# Altium PCB BLDC_v3.PcbDoc (part 2 of 2)
Units mm, origin at the board's own origin, x right, y up, seen from the top; angles counter-clockwise.
Board outline 118 x 103 mm, 4 copper layers (Component Side, Signal Layer 1, Signal Layer 2, Solder Side), stack 0.844 mm thick; 232 components, 107 nets, 656 pads, 98 vias.
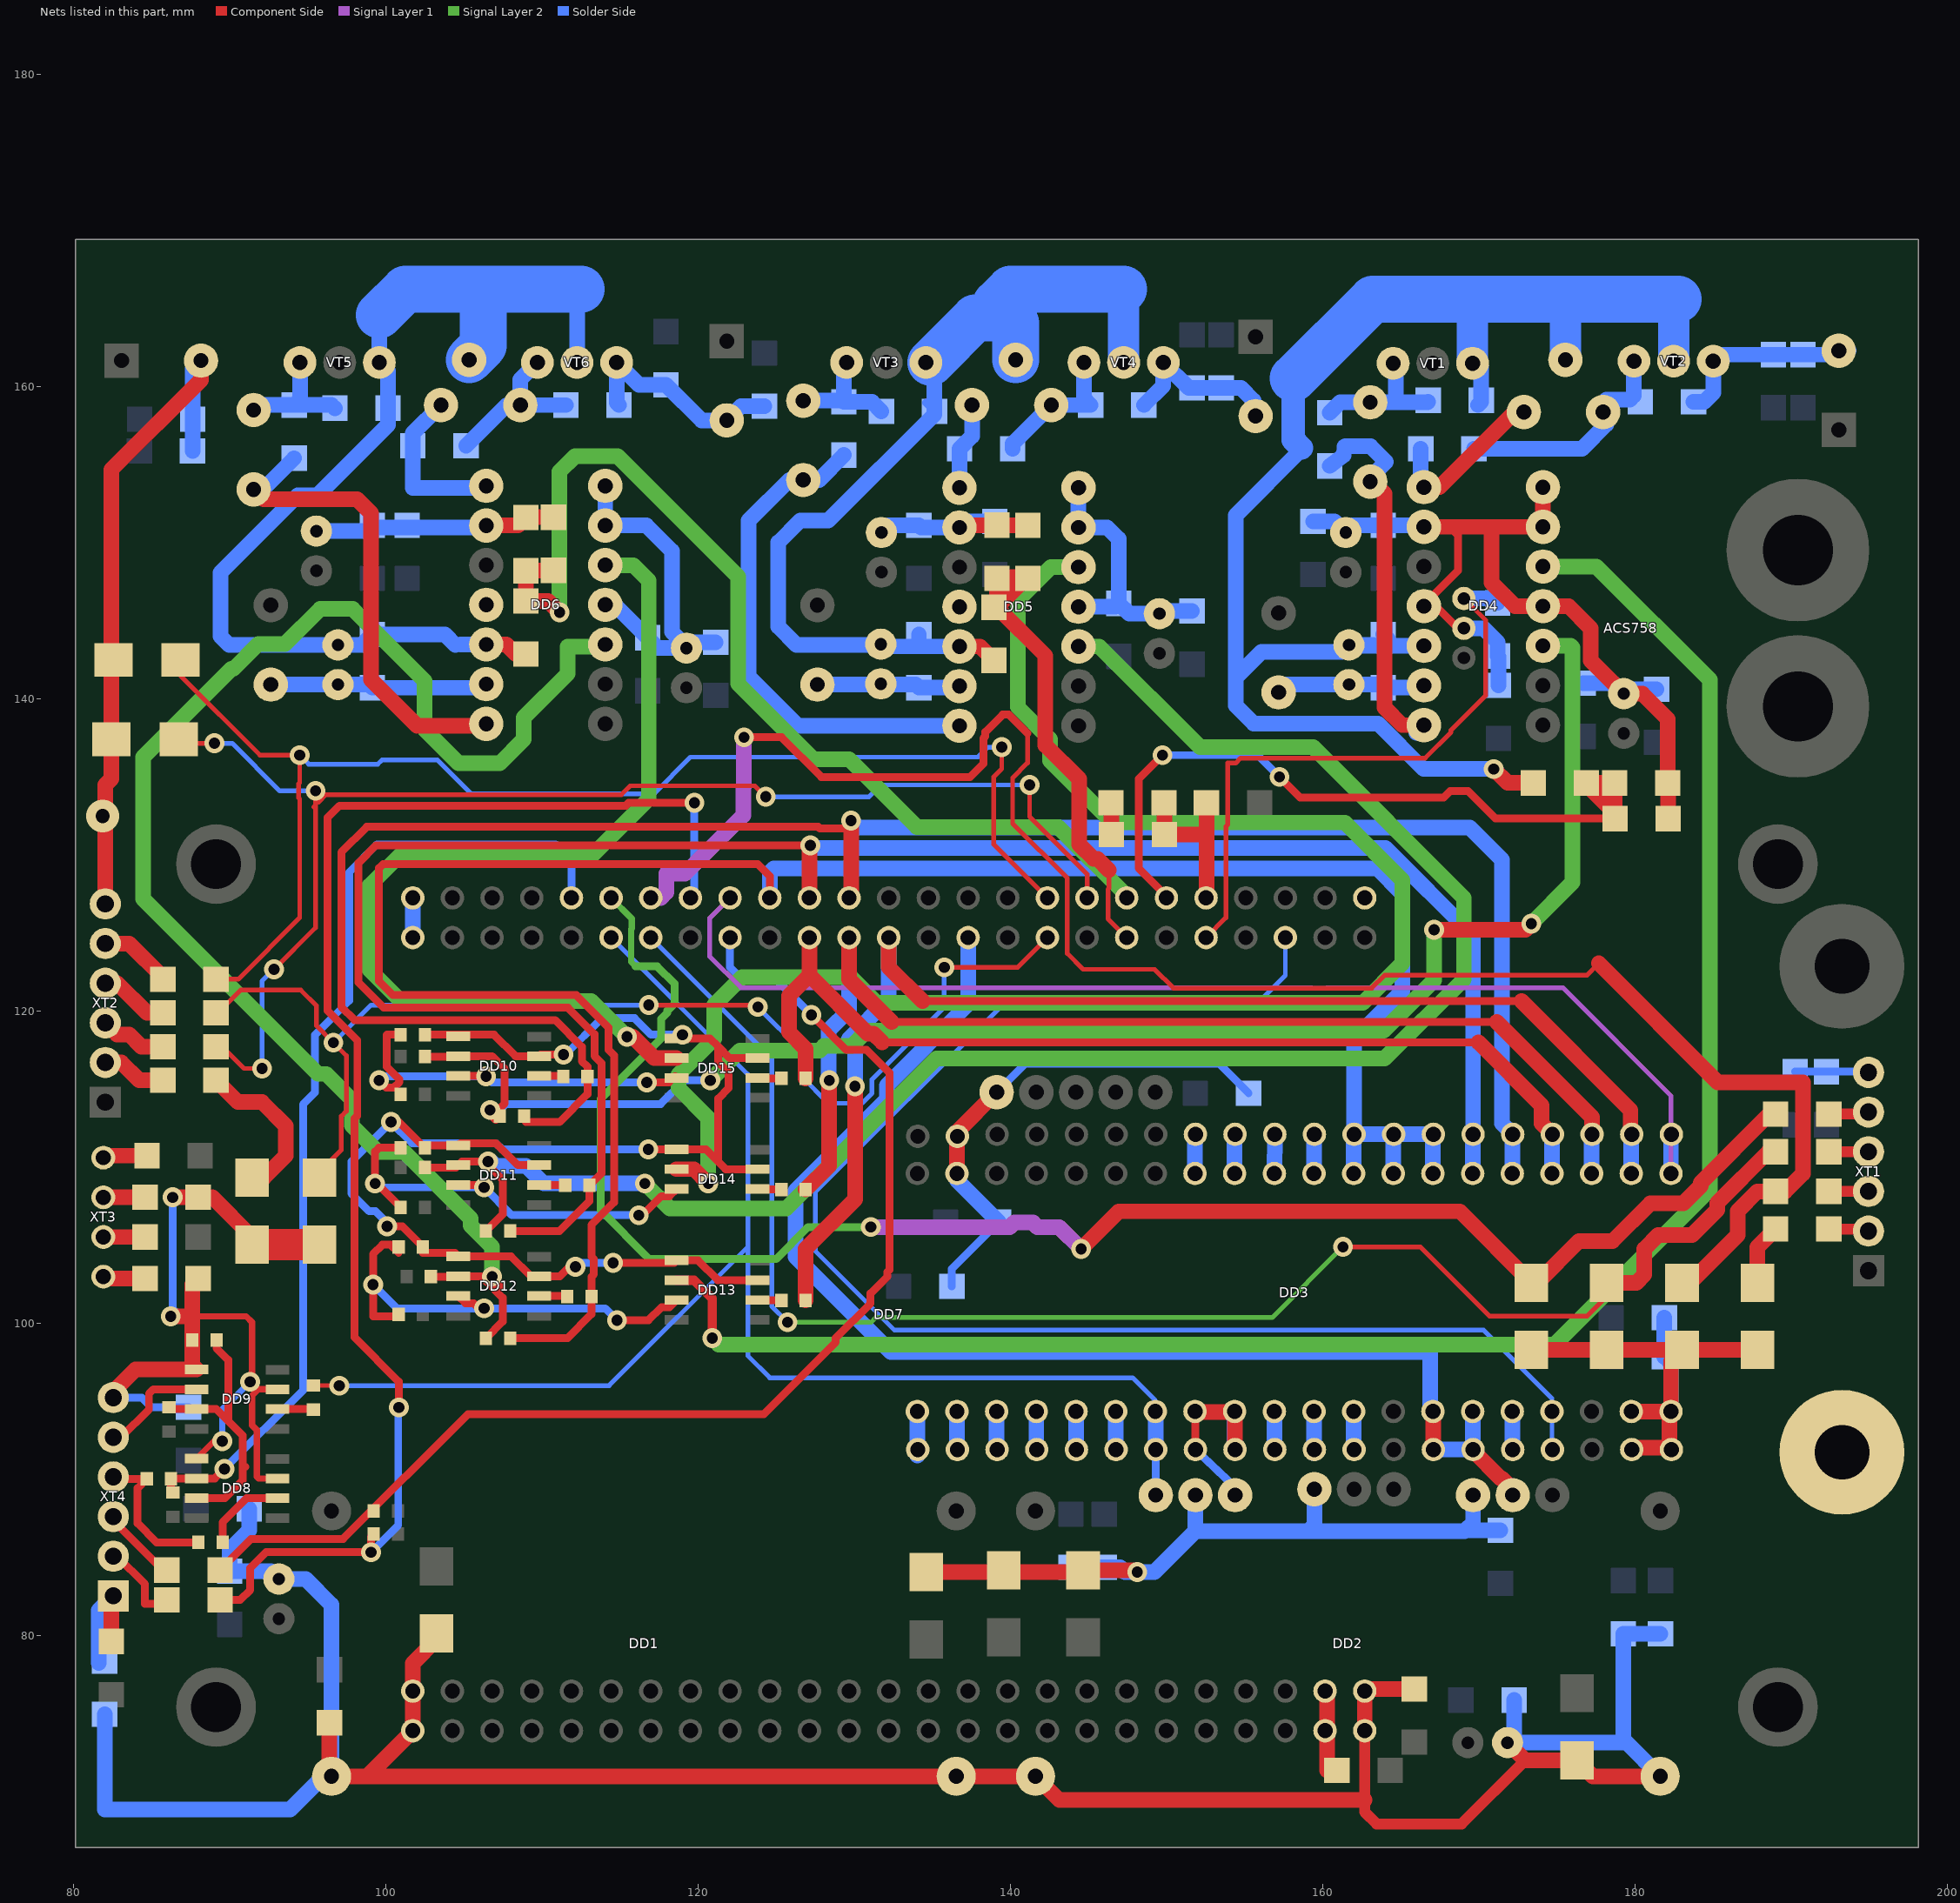
[diagram p4: the nets of this part, all layers, seen from the top]

## Via types
v1: diameter 1.27, hole 0.711, Component Side to Solder Side, 92 vias
v2: diameter 2.1, hole 0.9, Component Side to Solder Side, 3 vias
v3: diameter 1.27/1.27/1.27/1.27 (per signal layer), hole 0.711, Component Side to Solder Side, 3 vias

## Nets (pads, with @x,y where several pads share a name; then routed paths per layer and width w, separated by ;. In a path a pad name is that pad's centre, name@x,y a point inside that pad or via, vN(x,y) a via of type N, cw(c..) or ccw(c..) an arc to the next point about the centre after c; other vN are vias at no path point) (continued)
GND: ACS758.2 C1.1 C2.2 C3.2 C4.1 C7.1 C8.2 C9.1 C10.2 C13.1 C14.2 C15.1 C16.2 C19.1 C20.2 C21.2 C22.1 C23.2 C24.1 C25.2 C26.1 C27.1 C28.1 C29.2 C30.2 C31.1 C32.1 C33.1 C34.1 C35.1 C36.1 C37.1 C38.1 C39.1 C40.1 C41.1 C42.1 C43.1 C44.1 C45.1 C46.1 C47.1 C48.1 C49.1 C50.1 C51.1 C52.1 C53.1 C54.1 C55.1 C56.1 C57.1 C58.1 C59.1 C60.1 C61.1 C62.1 C63.2 DD1.1 DD1.2 DD2.1 DD2.2 DD3.19 DD3.20 DD3.39 DD4.2 DD4.4 DD4.11 DD4.13 DD4.14 DD5.2 DD5.4 DD5.11 DD5.13 DD5.14 DD6.2 DD6.4 DD6.11 DD6.13 DD6.14 DD7.1 DD7.49 DD7.50 DD7.51 DD7.52 DD7.99 DD7.100 DD8.3 DD8.5 DD9.3 DD9.5 DD10.3 DD10.5 DD11.3 DD11.5 DD12.3 DD12.5 DD13.3 DD13.5 DD14.3 DD14.5 DD15.3 DD15.5 R4.2 R8.2 R12.2 R23.2 R25.2 R31.2 R45.2 R47.2 R49.2 R53.2 R54.2 R55.2 R60.2 VD1.1 VD4.1 VD7.1 VD13.1 VD14.1 VD15.1 VD16.1 VD17.1 VD18.1 VD19.1 VD20.1 VD21.1 VD22.1 VT2.3 VT4.3 VT6.3 XP2.1 XP5.1 XP10.1 XP15.1 XP19.1 XP39.1 XP40.1 XP42.1 XT1.6 XT2.6 XT4.6 | length 679.4
  Component Side w0.4: 87.49,100.457 87.617,100.457 91.059,100.457 91.44,100.076 91.44,96.266 v1(91.313,96.266) ; DD8.5@87.884,91.338 89.002,92.456 v1(89.535,92.456) ; 91.821,95.758 91.44,95.377 91.44,93.472 91.745,93.167 91.745,90.17 91.846,90.068 DD8.3@93.066,90.068 ; 91.846,95.783 DD9.3@93.066,95.783
  Component Side w0.5: v1(100.088,106.223) 101.054,106.223 R49.2@102.375,104.902 ; v1(100.33,112.903) 100.851,112.903 R47.2@102.502,111.252 102.654,111.404 DD11.5@104.648,111.404 104.792,111.548 107.044,111.548 108.457,110.134 DD11.3@109.83,110.134 ; R49.2@102.375,104.521 104.419,104.521 DD12.5@104.648,104.292 108.025,104.292 109.295,103.022 DD12.3@109.83,103.022 111.15,103.022 111.76,103.632 v1(112.141,103.632) ; R45.2@102.502,118.491 106.934,118.491 108.306,117.119 DD10.3@109.83,117.119 109.931,117.221 v1(111.379,117.221) ; v1(114.554,103.886) 118.466,103.886 DD13.5@118.618,104.038 119.99,104.038 121.26,102.768 DD13.3@123.8,102.768 ; v1(116.815,111.15) DD14.5@118.618,111.15 120.498,111.15 121.768,109.88 DD14.3@123.8,109.88 ; DD15.5@118.999,118.262 120.752,118.262 121.285,117.729 ; 121.285,110.49 121.285,114.402 121.962,115.079 121.962,116.061 121.285,116.738 121.285,117.729 ; DD15.3@123.8,116.992 122.022,116.992 121.285,117.729 ; 168.13,151.021 168.656,150.495 168.656,148.209 166.476,146.029 DD4.4@166.476,145.941 167.241,145.941 168.656,144.526 ACS758.2@169.037,144.526
  Component Side w0.7: DD7.52@162.687,73.914 162.687,69.469 162.687,68.707 163.449,67.945 168.892,67.945 172.965,72.018
  Component Side w1: XT2.6@82.042,126.873 82.042,134.493 82.432,134.883 VD17.1@82.432,137.414 82.432,154.695 88.167,160.43 C2.2@88.167,161.671 ; XT4.6@82.55,95.25 82.55,95.631 83.972,97.053 DD9.5@87.884,97.053 87.617,97.32 R31.2@87.617,98.933 87.617,100.457 R25.2@87.617,102.501 ; v1(86.233,100.457) 87.49,100.457 ; v1(86.36,108.077) R23.2@87.986,108.077 88.9,108.077 91.44,105.537 VD16.1@91.44,105.038 ; C27.1@96.393,74.422 96.393,71.125 DD1.2@96.525,70.993 98.806,70.993 ; VD15.1@103.251,80.146 103.251,79.756 101.727,78.232 DD7.99@101.727,76.454 DD7.100@101.727,73.914 98.806,70.993 ; DD6.2@106.436,151.108 108.461,151.108 R55.2@108.966,151.613 108.991,151.638 C32.1@110.744,151.638 ; VD22.1@134.62,84.065 VD20.1@144.526,84.065 ; DD3.39@136.577,109.604 136.577,111.962 XP19.1@136.604,111.989 136.604,112.298 XP5.1@139.117,114.811 ; DD5.2@136.886,151.13 R54.2@139.141,151.13 C31.1@140.843,151.13 ; VD20.1@144.653,84.192 148.007,84.192 v1(148.125,84.074) ; C35.1@146.431,133.35 146.456,133.325 R60.2@146.456,131.318 ; 162.687,69.469 143.134,69.469 DD2.2@141.61,70.993 DD1.1@136.525,70.993 98.806,70.993 ; DD7.52@162.687,73.914 DD7.51@162.687,76.454 162.814,76.581 C28.1@165.862,76.581 ; DD4.2@166.476,151.021 168.13,151.021 170.815,151.021 ; C30.2@171.831,73.152 172.965,72.018 VD14.1@176.276,72.018 177.301,70.993 DD2.1@181.61,70.993 ; VD13.1@173.355,98.307 VD7.1@178.181,98.307 VD4.1@183.007,98.307 ; DD4.14@174.096,153.561 DD4.13@174.096,151.021 170.815,151.021 ; DD3.19@179.757,94.364 DD3.20@182.297,94.364 ; XP39.1@179.784,91.923 179.91,92.049 182.198,92.049 182.198,94.337 182.324,94.337 DD3.20@182.297,94.364 ; R53.2@182.093,134.62 182.093,138.709 180.462,140.34 C8.2@179.276,140.34 177.165,142.451 177.165,144.526 175.75,145.941 DD4.11@174.096,145.941 172.321,145.941 170.815,147.447 170.815,151.021 ; C33.1@182.118,132.334 R53.2@182.118,134.595 ; VD1.1@187.833,98.307 VD4.1@183.007,98.307 ; DD3.20@182.297,94.364 182.297,97.597 VD4.1@183.007,98.307
  Component Side w2: VD16.1@91.44,105.038 VD18.1@95.758,105.038
  Solder Side w0.4: v1(89.535,92.456) 89.535,94.234 89.408,94.361 v1(91.313,96.266)
  Solder Side w0.5: XT4.6@82.55,95.25 84.375,95.25 85,94.625 C61.1@87.375,94.625 ; v1@86.36,100.584 v1(86.36,108.077) ; v1(100.088,106.223) 100.088,106.438 99.339,107.188 98.933,107.188 97.79,108.331 97.79,110.363 v1(100.33,112.903) 101.685,111.548 107.044,111.548 107.441,111.15 v1(116.815,111.15) ; v1(111.379,117.221) 111.506,117.221 113.834,119.549 115.934,119.549 116.992,118.491 v1(118.999,118.491) ; v1(112.141,103.632) 112.395,103.886 v1(114.554,103.886) ; C53.1@136.25,102.375 136.25,103.5 C55.1@139.25,106.5 ; XP5.1@139.117,114.811 140.931,116.625 153.375,116.625 C54.1@155.25,114.75 ; C57.1@190.25,116.125 C58.1@192.25,116.125 194.898,116.125 XT1.6@194.945,116.078
  Solder Side w1: C63.2@82,74.971 82,68.875 93.875,68.875 95.993,70.993 DD1.2@96.525,70.993 96.525,81.975 94.871,83.629 C29.2@93.154,83.629 92.659,84.125 C41.1@90,84.125 90,85.5 91.25,86.75 C60.1@91.25,88.125 ; v1(86.233,100.457) v1@86.36,100.584 ; C36.1@87.625,155.875 87.625,157.909 C1.1@87.637,157.921 87.637,161.141 C2.2@88.167,161.671 ; C16.2@95.556,150.752 98.768,150.752 98.997,150.981 DD6.2@106.436,150.981 ; DD7.50@101.727,124.714 DD7.49@101.727,127.254 ; DD6.14@114.056,153.648 DD6.13@114.056,151.108 116.691,151.108 118.32,149.479 118.32,144.304 C20.2@119.363,143.261 ; DD6.11@114.783,145.901 C19.1@116.763,143.921 117.423,143.261 C20.2@119.363,143.261 ; R12.2@114.941,158.821 114.787,158.975 VT6.3@114.787,161.551 116.217,160.121 C26.1@117.937,160.121 120.217,157.841 C25.2@121.837,157.841 122.746,158.75 C50.1@124.25,158.75 ; C51.1@121.125,143.625 119.727,143.625 C20.2@119.363,143.261 ; C10.2@131.737,150.661 132.197,151.121 C9.1@134.137,151.121 134.277,150.981 DD5.2@136.737,150.981 137.131,151.375 C46.1@139,151.375 ; DD3.39@136.577,109.604 136.577,109.173 C55.1@139.25,106.5 ; DD5.11@144.357,145.901 146.717,145.901 C13.1@146.937,146.121 ; DD5.14@144.357,153.521 DD5.13@144.357,150.981 146.199,150.981 146.937,150.243 C13.1@146.937,146.121 ; C38.1@144.375,84.375 147.019,84.375 147.32,84.074 v1(148.125,84.074) 149.225,84.074 151.844,86.693 ; R8.2@148.541,158.821 149.787,160.067 VT4.3@149.787,161.551 151.417,159.921 154.757,159.921 C23.2@155.575,159.103 ; C48.1@151.625,145.625 149.701,145.625 C14.2@149.537,145.461 147.597,145.461 C13.1@146.937,146.121 ; XP42.1@151.844,89.51 151.844,86.693 ; C43.1@159.375,151.375 160.762,151.375 C3.2@161.476,150.661 161.936,151.121 C4.1@163.876,151.121 166.376,151.121 DD4.2@166.476,151.021 ; XP10.1@159.464,89.383 159.464,87.074 159.083,86.693 ; ACS758.2@169.037,144.526 170.307,144.526 171.196,143.637 C34.1@171.196,142.748 171.25,142.694 C40.1@171.25,140.875 ; XP2.1@169.624,89.002 169.624,87.232 169.142,86.75 ; C39.1@171.375,86.75 169.142,86.75 ; C42.1@172.25,75.875 172.25,73.571 C30.2@171.831,73.152 179.451,73.152 ; C7.1@176.676,141 178.616,141 C8.2@179.276,140.34 179.561,140.625 C45.1@181.375,140.625 ; DD2.1@181.61,70.993 179.451,73.152 ; C59.1@181.625,80.125 C37.1@179.25,80.125 179.25,73.353 179.451,73.152 ; C52.1@181.875,100.375 C56.1@181.875,97.875 182.297,97.453 DD3.20@182.297,94.364 ; R4.2@183.741,159.021 184.421,159.021 185.007,159.607 VT2.3@185.007,161.631 185.428,162.052 C22.1@188.849,162.052 193.421,162.052 C21.2@193.675,162.306 ; 151.844,86.693 159.083,86.693 ; 159.083,86.693 169.085,86.693 169.142,86.75
  other v2: 81.875,132.5
HIN_A: DD3.25 DD7.27 R41.1 R50.1 XP54.1 | length 135.9
  Component Side w0.5: R41.1@108.966,112.903 111.125,112.903 112.916,114.694 R50.1@112.916,115.824 112.916,116.444 112.564,116.796 112.564,117.712 110.849,119.427 98.01,119.427 97.155,120.282 97.155,130.175 98.784,131.804 127.681,131.804 127.787,131.699 129.286,131.699 v1(129.794,132.207)
  Component Side w1: DD7.27@129.667,127.254 129.794,127.381 v1(129.794,132.207)
  Solder Side w1: v1(129.794,132.207) 130.243,131.758 169.419,131.758 171.474,129.703 171.474,112.806 XP54.1@172.164,112.116 172.137,112.089 DD3.25@172.137,109.604
HIN_A_OPTO: DD4.10 DD10.6 R38.2 R41.2 | length 104
  Component Side w0.5: R38.2@102.502,117.094 104.623,117.094 DD10.6@104.648,117.119 106.806,117.119 107.611,116.315 107.611,114.101 107.302,113.792 R41.2@107.302,113.284 107.048,113.03 106.68,113.398 v1(106.68,113.665)
  Component Side w1: v1(167.132,125.222) 172.974,125.222 v1(173.355,125.603)
  Signal Layer 2 w1: v1(120.777,115.57) 122.682,117.475 127.765,117.475 128.057,117.767 129.832,117.767 130.81,118.745 163.897,118.745 167.132,121.98 v1(167.132,125.222) ; v1(173.355,125.603) 175.996,128.244 175.996,143.282 175.877,143.401 DD4.10@174.096,143.401
  Solder Side w0.5: v1(106.68,113.665) 107.315,113.665 107.696,114.046 117.602,114.046 119.126,115.57 v1(120.777,115.57)
HIN_B: DD3.26 DD7.29 R42.1 R51.1 XP58.1 | length 134.1
  Component Side w0.5: R42.1@107.963,105.918 111.125,105.918 113.043,107.836 R51.1@113.043,108.839 113.814,109.61 113.814,116.678 113.364,117.128 113.364,118.526 111.663,120.227 99.876,120.227 98.26,121.843 98.26,129.502 99.377,130.619 v1(127.191,130.619)
  Component Side w1: DD7.29@127.127,127.254 127.127,130.556 v1(127.191,130.619)
  Solder Side w1: v1(127.191,130.619) 127.352,130.458 164.008,130.458 169.624,124.842 XP58.1@169.624,112.116 169.597,112.089 DD3.26@169.597,109.604
HIN_B_OPTO: DD5.10 DD11.6 R39.2 R42.2 | length 115.9
  Component Side w0.5: R39.2@102.502,109.982 104.496,109.982 DD11.6@104.648,110.134 104.877,110.363 v1(106.553,110.363) 106.553,110.134 107.484,109.203 107.484,106.989 R42.2@106.413,105.918
  Signal Layer 2 w1: v1(116.586,108.966) 118.199,107.353 125.641,107.353 135.255,116.967 163.957,116.967 169.037,122.047 169.037,127.254 159.385,136.906 152.146,136.906 145.691,143.361 DD5.10@144.357,143.361
  Solder Side w1: v1(106.553,110.363) 106.744,110.363 107.007,110.1 108.975,110.1 110.109,108.966 v1(116.586,108.966)
HIN_C: DD3.27 DD3.28 DD3.29 DD7.31 R43.1 R52.1 XP51.1 XP52.1 XP57.1 | length 147.4
  Component Side w0.5: R43.1@107.963,99.06 111.633,99.06 113.17,100.597 R52.1@113.17,101.727 113.17,102.985 113.326,103.141 113.326,104.123 113.17,104.279 113.17,106.312 114.613,107.755 114.613,117.179 114.258,117.534 114.258,118.961 112.192,121.027 100.461,121.027 99.568,121.92 99.568,129.159 99.822,129.413 123.825,129.413 124.587,128.651 DD7.31@124.587,127.254
  Solder Side w1: DD7.31@124.587,127.254 124.587,128.905 124.836,129.154 163.474,129.154 165.1,127.528 165.1,121.285 162.004,118.189 XP51.1@162.004,112.116 ; DD3.29@161.977,109.604 161.977,112.089 XP51.1@162.004,112.116 ; DD3.28@164.517,109.604 164.517,112.089 XP52.1@164.544,112.116 ; DD3.27@167.057,109.604 167.057,112.089 XP57.1@167.084,112.116 XP52.1@164.544,112.116 ; XP51.1@162.004,112.116 XP52.1@164.544,112.116
HIN_C_OPTO: DD6.10 DD12.6 R40.2 R43.2 | length 96.9
  Component Side w0.5: R40.2@102.883,102.997 104.623,102.997 DD12.6@104.648,103.022 106.108,103.022 ; R43.2@106.413,99.06 107.484,100.131 107.484,101.646 v1@106.47,102.66 ; v1@106.89,103.102 106.89,102.787 107.315,102.362
  Signal Layer 2 w1: 90.106,141.922 84.455,136.271 84.455,127.184 95.658,115.981 96.179,115.981 97.82,114.34 97.82,112.676 99.528,110.968 101.192,110.968 105.44,106.72 105.44,106.269 106.807,104.902 v1(106.807,102.997) ; 90.237,141.915 91.832,143.51 93.54,143.51 95.791,145.761 97.89,145.761 102.489,141.162 102.489,138.049 104.648,135.89 107.312,135.89 108.836,137.414 108.836,138.808 111.656,141.628 111.656,143.348 113.916,143.348 DD6.10@114.056,143.488
  Solder Side w0.5: v1(106.807,102.997) 106.807,103.019 v1@106.89,103.102
HO_A: DD4.7 R2.1 VD2.2 | length 25.2
  Component Side w1: VD2.2@163.037,153.921 163.198,153.921 163.957,153.162 163.957,139.446 165.082,138.321 DD4.7@166.476,138.321
  Solder Side w1: R2.1@160.437,154.921 161.331,155.604 161.404,156.153 161.453,156.191 163.053,156.191 164.053,155.191 163.037,154.175 VD2.2@163.037,153.921 ; DD4.7@165.976,137.821 DD4.7@166.476,138.321 DD4.7@166.376,138.421
HO_C: DD6.7 R10.1 VD8.2 | length 31
  Component Side w1: VD8.2@91.537,153.421 92.177,152.781 98.171,152.781 99.06,151.892 99.06,141.224 102.003,138.281 DD6.7@106.553,138.281
  Solder Side w1: VD8.2@91.537,153.421 92.137,153.421 R10.1@94.137,155.421
HO_GATE_A: R1.1 R2.2 VD2.1 VT1.1 | length 9.5
  Solder Side w1: R2.2@160.437,158.325 161.113,159.001 VD2.1@163.037,159.001 ; VD2.1@163.187,159.151 VD2.1@163.037,159.001 ; VT1.1@164.687,161.631 164.687,159.051 164.637,159.001 ; R1.1@166.737,159.021 166.717,159.001 164.637,159.001 ; VD2.1@163.037,159.001 164.637,159.001
HO_GATE_B: R5.1 R6.2 VD5.1 VT3.1 | length 7.9
  Solder Side w1: VD5.1@126.737,159.101 129.261,159.101 R6.2@129.337,159.025 ; VT3.1@129.507,161.551 129.337,161.381 R6.2@129.337,159.025 ; R5.1@131.737,158.421 131.133,159.025 R6.2@129.337,159.025
HO_GATE_C: R9.1 R10.2 VD8.1 VT5.1 | length 9.1
  Solder Side w0.5: R9.1@96.357,159.001 R9.1@96.737,158.621
  Solder Side w1: VD8.1@91.537,158.501 91.861,158.825 R10.2@94.137,158.825 ; VT5.1@94.337,161.381 VT5.1@94.507,161.551 94.507,159.195 R10.2@94.137,158.825 ; R9.1@96.737,158.621 96.533,158.825 R10.2@94.137,158.825
I2C2_SCL: DD7.34 R32.2 R62.1 | length 79.1
  Component Side w0.5: R32.2@89.383,84.201 91.375,86.193 97.271,86.193 105.27,94.192 124.209,94.192 128.815,98.798 128.815,99.063 131.032,101.28 131.032,101.924 132.122,103.014 132.122,103.293 132.249,103.42 132.249,116.061 130.793,117.517 129.498,117.517 v1(127.254,119.761)
  Solder Side w0.5: DD7.34@122.047,124.714 122.047,122.809 122.809,122.047 124.968,122.047 v1(127.254,119.761)
I2C2_SDA: DD7.35 R29.2 R61.1 | length 92.9
  Component Side w0.5: R29.2@89.383,82.296 90.678,82.296 91.313,82.931 91.313,84.328 92.329,85.344 v1(99.06,85.344) 99.06,86.335 R61.1@99.225,86.5 ; v1(100.838,94.615) 100.838,96.266 98.002,99.102 98.002,113.131 98.178,113.307 98.178,118.128 96.266,120.04 96.266,132.388 97.042,133.164 115.368,133.164 115.554,133.35 v1(119.761,133.35)
  Solder Side w0.5: v1(99.06,85.344) 100.796,87.08 100.796,94.573 v1(100.838,94.615) ; DD7.35@119.507,127.254 119.761,127.508 v1(119.761,133.35)
I_SENSE: ACS758.3 C34.2 DD7.10 | length 39.4
  Component Side w0.3: DD7.10@152.527,124.714 153.797,125.984 153.797,131.826 153.924,131.953 153.924,135.89 154.422,135.89 154.745,136.213 166.56,136.213 168.206,137.859 168.206,137.99 170.434,140.218 170.434,145.034 ACS758.3@169.037,146.431
  Component Side w1: DD7.10@152.527,124.714 DD7.10@152.654,124.587
  Solder Side w1: ACS758.3@169.037,146.431 170.917,146.431 C34.2@171.196,146.152
LIN_A: DD3.22 DD7.26 R56.1 XP59.1 | length 83.1
  Component Side w0.5: 134.366,120.65 172.72,120.65
  Component Side w1: R56.1@126.886,101.473 126.886,104.785 130.048,107.947 v1(130.048,115.189) ; DD7.26@132.207,124.714 132.207,122.809 134.366,120.65 ; 172.72,120.65 179.705,113.665 179.705,112.195 XP59.1@179.784,112.116
  Solder Side w1: v1(130.048,115.189) 130.048,117.856 129.667,118.237 132.207,120.777 DD7.26@132.207,124.714 ; DD3.22@179.757,109.604 179.757,112.089 XP59.1@179.784,112.116
LIN_A_OPTO: DD4.12 DD13.6 | length 119.8
  Component Side w0.6: DD13.6@118.618,102.768 119.736,102.768 120.904,101.6 v1(120.904,99.06)
  Signal Layer 2 w1: v1(120.904,99.06) 121.323,98.641 174.841,98.641 184.785,108.585 184.785,141.224 177.528,148.481 DD4.12@174.096,148.481
LIN_B: DD3.23 DD7.28 R57.1 XP56.1 | length 74.8
  Component Side w0.5: 132.401,119.313 171.136,119.313
  Component Side w1: R57.1@126.886,108.585 128.397,110.096 v1(128.397,115.57) ; DD7.28@129.667,124.714 129.667,122.047 132.401,119.313 ; 171.136,119.313 177.244,113.205 XP56.1@177.244,112.116
  Solder Side w1: v1(128.397,115.57) 128.367,115.6 128.367,118.775 129.667,120.075 DD7.28@129.667,124.714 ; DD3.23@177.217,109.604 177.217,112.089 XP56.1@177.244,112.116
LIN_B_OPTO: DD5.12 DD14.6 | length 109.1
  Component Side w1: DD14.6@118.618,109.88 119.736,109.88 v1(120.65,108.966)
  Signal Layer 2 w1: v1(120.65,108.966) 120.65,113.157 118.745,115.062 118.745,115.951 121.031,118.237 121.031,120.396 122.809,122.174 129.794,122.174 131.445,120.523 162.56,120.523 165.1,123.063 165.1,128.397 161.417,132.08 146.51,132.08 142.532,136.058 142.532,137.419 140.462,139.489 140.462,146.304 142.599,148.441 DD5.12@144.357,148.441
LIN_C: DD3.24 DD7.30 R58.1 XP55.1 | length 65
  Component Side w0.5: 131.782,118.013 169.967,118.013
  Component Side w1: R58.1@126.886,115.697 126.886,117.589 125.819,118.656 125.819,120.993 127.127,122.301 ; DD7.30@127.127,124.714 127.127,122.301 ; 131.782,118.013 131.228,118.567 130.861,118.567 127.127,122.301 ; 169.967,118.013 174.014,113.966 174.014,112.806 XP55.1@174.704,112.116
  Solder Side w1: DD3.24@174.677,109.604 174.677,112.089 XP55.1@174.704,112.116
LIN_C_OPTO: DD6.12 DD15.6 | length 64.8
  Component Side w1: v3(115.443,118.364) 115.824,118.364 117.196,116.992 DD15.6@118.618,116.992
  Signal Layer 2 w1: DD6.12@114.056,148.568 115.846,148.568 116.84,147.574 116.84,133.604 113.284,130.048 100.965,130.048 98.933,128.016 98.933,122.682 100.965,120.65 113.157,120.65 v3(115.443,118.364)
LO_A: DD4.1 R3.1 VD3.2 | length 11.3
  Component Side w1: DD4.1@166.476,153.561 167.477,153.561 172.166,158.25 VD3.2@173.25,158.25
  Solder Side w1: R3.1@166.276,156.021 166.276,153.761 DD4.1@166.476,153.561
LO_B: DD5.1 R7.1 VD6.2 | length 5.6
  Solder Side w1: DD5.1@136.737,153.521 R7.1@136.737,156.021 137.537,156.821 VD6.2@137.537,158.821
LO_C: DD6.1 R11.1 VD9.2 | length 10.8
  Solder Side w1: VD9.2@103.537,158.821 101.737,157.021 R11.1@101.737,156.221 101.737,153.521 106.309,153.521 DD6.1@106.436,153.648
LO_GATE_A: R3.2 R4.1 VD3.1 VT2.1 | length 14.8
  Solder Side w1: R3.2@169.68,156.021 176.595,156.021 178.167,157.593 178.167,159.171 179.667,159.171 179.927,159.431 VT2.1@179.927,161.631
LO_GATE_B: R7.2 R8.1 VD6.1 VT4.1 | length 9.3
  Solder Side w1: R7.2@140.141,156.021 140.141,156.345 VD6.1@142.617,158.821 R8.1@145.137,158.821 144.707,159.251 VT4.1@144.707,161.551
LO_GATE_C: R11.2 R12.1 VD9.1 VT6.1 | length 10.7
  Solder Side w1: R11.2@105.141,156.221 107.741,158.821 VD9.1@108.617,158.821 ; VT6.1@109.707,161.551 108.617,160.461 VD9.1@108.617,158.821 ; R12.1@111.537,158.821 VD9.1@108.617,158.821
NetC63_1: C63.1 R28.1 XT4.1 | length 7.7
  Component Side w1: R28.1@82.423,79.629 82.423,82.423 XT4.1@82.55,82.55
  Solder Side w1: C63.1@81.625,78.25 81.625,81.625 XT4.1@82.55,82.55
NetDD5_7: DD5.7 R6.1 VD5.2 | length 32.7
  Solder Side w0.5: DD5.7@136.697,138.321 DD5.7@136.737,138.281
  Solder Side w1: R6.1@129.337,155.621 127.737,154.021 VD5.2@126.737,154.021 125.837,154.021 123.237,151.421 123.237,141.421 126.377,138.281 DD5.7@136.737,138.281
NetDD7_53: DD7.53 DD7.54 R21.1 | length 5.1
  Component Side w1: DD7.53@160.147,76.454 160.274,76.327 R21.1@160.274,71.374
NetDD8_2: DD8.2 R33.2 | length 5.4
  Component Side w0.5: R33.2@89.548,85.979 89.548,87.262 91.084,88.798 DD8.2@93.066,88.798
NetDD8_7: DD8.7 DD9.7 R30.2 R31.1 | length 17.5
  Component Side w0.5: R30.2@86.106,94.628 86.221,94.513 DD9.7@87.884,94.513 89.153,94.513 90.847,92.82 90.847,90.678 ; DD8.7@87.884,88.798 89.687,88.798 90.847,89.958 90.847,90.678 ; R31.1@89.167,98.933 89.167,98.412 89.916,97.663 89.916,93.726 ; 90.995,90.826 90.847,90.678
NetDD9_2: DD9.2 R34.2 | length 2.3
  Component Side w0.5: DD9.2@93.066,94.513 95.339,94.513 R34.2@95.377,94.475
NetDD9_6: DD9.6 XT4.5 | length 7.2
  Component Side w0.5: XT4.5@82.55,92.71 83.058,92.71 84.836,94.488 84.836,95.504 85.115,95.783 DD9.6@87.884,95.783
NetDD10_2: DD10.2 R50.2 | length 1.5
  Component Side w0.5: DD10.2@109.83,115.849 111.341,115.849 R50.2@111.366,115.824
NetDD10_7: DD10.7 DD15.7 R44.2 R45.1 | length 27.2
  Component Side w0.5: v1(99.568,115.57) 100.031,115.107 100.526,115.107 100.88,115.46 100.88,115.628 100.054,116.453 100.054,118.469 100.076,118.491 R45.1@100.952,118.491 ; DD10.7@104.648,115.849 106.401,115.849 v1(106.426,115.824) ; v1(116.713,115.443) 118.135,115.443 118.516,115.824 DD15.7@118.618,115.722
  Solder Side w0.5: v1(99.568,115.57) 99.822,115.824 v1(106.426,115.824) 106.807,115.443 v1(116.713,115.443)
NetDD11_2: DD11.2 R51.2 | length 1.7
  Component Side w0.5: DD11.2@109.83,108.864 111.468,108.864 R51.2@111.493,108.839
NetDD11_7: DD11.7 DD14.7 R46.2 R47.1 | length 28.6
  Component Side w0.5: R46.2@100.952,107.442 99.428,108.966 v1(99.314,108.966) 99.314,110.998 99.568,111.252 R47.1@100.952,111.252 ; DD11.7@104.648,108.864 106.147,108.864 v1(106.299,108.712) ; v1(116.205,106.934) 116.432,106.934 117.647,108.149 118.157,108.149 DD14.7@118.618,108.61
  Solder Side w0.5: v1(99.314,108.966) 99.428,108.966 99.682,108.712 v1(106.299,108.712) 108.077,106.934 v1(116.205,106.934)
NetDD12_2: DD12.2 R52.2 | length 1.8
  Component Side w0.5: DD12.2@109.83,101.752 111.595,101.752 R52.2@111.62,101.727
NetDD12_7: DD12.7 DD13.7 R48.2 R49.1 | length 30.7
  Component Side w0.5: R48.2@100.825,100.584 100.698,100.457 99.187,100.457 v1(99.187,102.489) 99.187,104.443 99.782,105.038 100.308,105.038 R49.1@100.825,104.521 ; DD12.7@104.648,101.752 105.109,101.291 105.619,101.291 105.945,100.965 v1(106.299,100.965) ; v1(114.808,100.203) 116.813,100.203 117.647,101.037 118.157,101.037 DD13.7@118.618,101.498
  Solder Side w0.5: v1(99.187,102.489) 100.711,100.965 v1(106.299,100.965) 114.046,100.965 v1(114.808,100.203)
NetDD13_2: DD13.2 R56.2 | length 1.5
  Component Side w0.5: DD13.2@123.8,101.498 123.825,101.473 R56.2@125.336,101.473
NetDD14_2: DD14.2 R57.2 | length 1.5
  Component Side w0.5: DD14.2@123.8,108.61 123.825,108.585 R57.2@125.336,108.585
NetDD15_2: DD15.2 R58.2 | length 1.5
  Component Side w0.5: DD15.2@123.8,115.722 123.825,115.697 R58.2@125.336,115.697
NetR13_1: R13.1 XT1.2 | length 2.4
  Component Side w0.7: R13.1@192.405,106.045 XT1.2@194.818,106.045
NetR14_1: R14.1 XT1.3 | length 2.5
  Component Side w0.7: R14.1@192.405,108.458 XT1.3@194.945,108.458
NetR15_1: R15.1 XT1.4 | length 2.5
  Component Side w0.7: R15.1@192.405,110.998 XT1.4@194.945,110.998
NetR16_1: R16.1 XT1.5 | length 2.4
  Component Side w0.7: R16.1@192.405,113.411 XT1.5@194.818,113.411
NetR17_1: R17.1 XT2.2 | length 4.2
  Component Side w1: XT2.2@82.042,116.713 83.058,116.713 84.201,115.57 R17.1@85.725,115.57
NetR18_1: R18.1 XT2.3 | length 4.3
  Component Side w1: XT2.3@82.042,119.253 82.782,118.513 83.572,118.513 84.356,117.729 R18.1@85.725,117.729
NetR19_1: R19.1 XT2.4 | length 4.5
  Component Side w1: XT2.4@82.042,121.793 82.804,121.793 84.709,119.888 R19.1@85.725,119.888
NetR20_1: R20.1 XT2.5 | length 4.7
  Component Side w1: XT2.5@82.042,124.333 83.566,124.333 85.725,122.174 R20.1@85.725,122.047
NetR22_1: R22.1 XT3.1 | length 2.8
  Component Side w1: XT3.1@81.915,110.617 82.042,110.744 R22.1@84.709,110.744
NetR23_1: R23.1 XT3.2 | length 2.7
  Component Side w1: XT3.2@81.915,108.077 R23.1@84.582,108.077
NetR24_1: R24.1 XT3.3 | length 2.7
  Component Side w1: XT3.3@81.915,105.537 R24.1@84.582,105.537
NetR25_1: R25.1 XT3.4 | length 2.7
  Component Side w1: XT3.4@81.915,102.997 82.042,102.87 R25.1@84.582,102.87
NetR27_1: R27.1 R33.1 XT4.4 | length 9.7
  Component Side w0.5: XT4.4@82.55,90.17 82.677,90.043 R27.1@84.696,90.043 84.1,89.447 84.1,87.198 85.319,85.979 R33.1@87.998,85.979
NetR29_1: R29.1 XT4.2 | length 5.5
  Component Side w0.5: XT4.2@82.55,85.09 82.788,85.09 84.582,83.296 84.582,82.042 85.725,82.042 R29.1@85.979,82.296
NetR32_1: R32.1 XT4.3 | length 4.8
  Component Side w0.5: XT4.3@82.55,87.376 R32.1@85.979,83.947
PA_0: DD3.5 XP25.1 | length 2.4
  Solder Side w1: XP25.1@144.197,91.923 DD3.5@144.197,94.364
PA_1: DD3.6 XP26.1 | length 2.4
  Solder Side w1: XP26.1@146.737,91.923 DD3.6@146.737,94.364
PA_4: DD3.8 DD3.9 XP16.1 XP28.1 XP29.1 | length 13.5
  Component Side w0.5: XP16.1@151.844,91.923 DD3.8@151.844,94.337
  Component Side w1: DD3.8@151.817,94.364 151.844,94.337 154.384,94.337 XP29.1@154.384,91.923
  Solder Side w0.5: XP16.1@151.844,91.923 XP28.1@154.384,89.51
  Solder Side w1: XP29.1@154.357,91.796 DD3.9@154.357,94.364
PA_5: DD3.10 XP30.1 | length 2.4
  Solder Side w1: XP30.1@156.897,91.923 DD3.10@156.897,94.364
PA_6: DD3.11 XP31.1 | length 2.7
  Solder Side w1: XP31.1@159.437,91.669 DD3.11@159.437,94.364
PA_7: DD3.12 XP32.1 | length 2.6
  Solder Side w1: XP32.1@161.977,91.796 DD3.12@161.977,94.364
PB_3: DD3.31 XP49.1 | length 2.5
  Solder Side w1: DD3.31@156.897,109.604 XP49.1@156.924,112.116
PB_4: DD3.32 XP53.1 | length 2.5
  Solder Side w1: DD3.32@154.357,109.604 XP53.1@154.357,112.116
PB_5: DD3.33 XP48.1 | length 2.5
  Solder Side w1: DD3.33@151.817,109.604 XP48.1@151.817,112.116
PB_10: DD3.14 DD3.15 DD7.22 XP4.1 XP34.1 XP35.1 | length 83.5
  Component Side w1: DD3.14@167.057,94.364 167.084,94.337 XP34.1@167.084,91.923 ; XP35.1@169.624,91.923 169.624,91.847 171.398,90.073 171.474,90.073 172.164,89.383 XP4.1@172.164,89.002
  Solder Side w1: DD7.22@137.287,124.714 137.287,120.439 132.083,115.235 132.083,114.346 130.891,113.154 126.238,108.501 126.238,104.267 132.334,98.171 166.878,98.171 166.878,94.543 DD3.14@167.057,94.364 ; XP34.1@167.084,91.923 169.597,91.923 DD3.15@169.597,94.364
PB_11: DD3.16 XP36.1 | length 2.4
  Solder Side w1: XP36.1@172.137,91.923 DD3.16@172.137,94.364
PB_12: DD3.21 DD7.33 XP60.1 | length 77
  Signal Layer 1 w0.3: DD7.33@122.047,127.254 120.75,125.957 120.75,123.5 122.75,121.5 159.287,121.5 159.317,121.47 160.215,121.47 160.245,121.5 175.375,121.5 182.297,114.578 DD3.21@182.297,109.604
  Solder Side w1: DD3.21@182.297,109.604 XP60.1@182.297,112.116
PB_15: DD3.30 XP50.1 | length 2.5
  Solder Side w1: DD3.30@159.437,109.604 XP50.1@159.437,112.116
PC_13: DD3.2 XP22.1 | length 2.6
  Solder Side w1: XP22.1@136.577,91.796 DD3.2@136.577,94.364
PC_14: DD3.3 XP23.1 | length 2.6
  Solder Side w1: XP23.1@139.117,91.796 DD3.3@139.117,94.364
PC_15: DD3.4 XP24.1 | length 2.3
  Solder Side w1: XP24.1@141.657,92.05 DD3.4@141.657,94.364
PHASE_A: C5.1 C6.2 DD4.5 R1.2 R35.1 VT1.3 VT2.2 XP11.1 | length 101
  Component Side w1: v1(170.942,135.509) 171.831,134.62 R35.1@173.482,134.62
  Solder Side w1: 158.623,156.083 158.623,155.956 154.432,151.765 154.432,141.377 ; C5.1@163.216,143.461 C6.2@161.676,143.461 ; C5.1@163.876,144.121 164.176,143.821 C5.1@164.176,143.401 ; DD4.5@166.476,143.401 C5.1@164.176,143.401 ; VT1.3@169.767,161.631 170.141,161.257 170.141,159.021 R1.2@169.941,158.821 ; v1(170.942,135.509) 166.45,135.509 163.529,138.43 155.575,138.43 154.432,139.573 154.432,141.377 ; 154.432,141.377 156.076,143.021 161.236,143.021 C6.2@161.676,143.461 ; C6.2@161.676,143.461 161.736,143.401 C5.1@164.176,143.401
  Solder Side w1.5: 158.115,160.528 158.115,156.591 158.623,156.083
  Solder Side w2: VT1.3@169.587,161.501 169.587,165.566 ; XP11.1@175.537,161.721 175.537,165.458 ; VT2.2@182.467,161.631 182.467,165.322 182.753,165.608
  Solder Side w3: 158.115,160.528 163.195,165.608 182.753,165.608
PHASE_A_STM: C33.2 DD7.11 R35.2 R53.1 | length 48.1
  Component Side w0.5: v1(149.733,136.398) 148.209,134.874 148.209,129.159 149.987,127.381 DD7.11@149.987,127.254 ; v1(157.226,135.001) 158.538,133.689 167.75,133.689 168.173,134.112 169.291,134.112 171.069,132.334 C33.2@178.714,132.334
  Component Side w1: R35.2@176.759,134.62 R53.1@178.689,134.62 178.689,132.69 R35.2@176.759,134.62
  Solder Side w0.5: v1(149.733,136.398) 155.829,136.398 v1(157.226,135.001)
PHASE_B: C11.1 C12.2 DD5.5 R5.2 R36.1 VT3.3 VT4.2 XP12.1 | length 62.3
  Component Side w1: DD5.5@136.737,143.361 138.046,143.361 R36.1@138.938,142.469
  Solder Side w0.5: R5.2@134.587,158.975 R5.2@135.141,158.421
  Solder Side w1: C11.1@134.137,144.121 C11.1@134.137,143.361 ; VT3.3@134.587,161.551 135.137,161.001 135.137,158.425 R5.2@135.141,158.421 135.141,158.225 128.337,151.421 126.537,151.421 125.137,150.021 125.137,144.621 126.297,143.461 131.937,143.461 132.037,143.361 C11.1@134.137,143.361 ; DD5.5@136.737,143.361 C11.1@134.137,143.361
  Solder Side w2: VT4.2@147.247,161.551 147.247,164.003 147.247,166.25
  Solder Side w3: VT3.3@134.897,161.551 137.747,164.401 140,164.401 ; XP12.1@140.337,161.721 140.337,164.064 139.076,165.326 140,166.25 147.247,166.25
PHASE_B_STM: C31.2 DD7.14 R36.2 R54.1 | length 31.5
  Component Side w0.3: 146.304,129.032 146.304,127.865 146.247,127.808 146.247,125.914 DD7.14@147.447,124.714
  Component Side w1: R54.1@138.938,147.803 141.072,147.803 R36.2@139.141,145.872 ; R54.1@139.141,147.726 R36.2@139.141,145.872 ; 146.304,129.032 145.585,129.751 145.331,129.751 144.399,130.683 144.399,134.874 142.24,137.033 142.24,142.773 R36.2@139.141,145.872
PHASE_C: C17.1 C18.2 DD6.5 R9.2 R37.1 VT5.3 VT6.2 XP13.1 | length 69.8
  Component Side w1: DD6.5@106.436,143.488 107.718,143.488 108.331,142.875 R37.1@108.966,142.875
  Solder Side w1: 99.587,164.587 VT5.3@99.587,161.551 100.141,160.997 R9.2@100.141,158.621 100.141,157.545 95.631,153.035 94.361,153.035 89.408,148.082 89.408,144.018 89.965,143.461 C18.2@96.937,143.461 98.477,143.461 C17.1@99.137,144.121 103.783,144.121 104.457,143.446 ; 104.797,143.488 DD6.5@106.436,143.488 ; XP13.1@105.337,161.721 XP13.1@105.337,161.979 ; VT6.2@112.247,161.551 112.247,165.997 112.5,166.25
  Solder Side w3: 99.587,164.587 101.25,166.25 106.25,166.25 ; XP13.1@105.337,161.721 106.25,162.634 106.25,166.25 ; 112.5,166.25 106.25,166.25
PHASE_C_STM: C32.2 DD7.13 R37.2 R55.1 | length 67.8
  Component Side w1: C32.2@110.744,148.234 108.991,148.234 R55.1@108.966,148.209 R37.2@108.966,146.279 110.388,146.279 v3(111.125,145.542)
  Signal Layer 2 w1: v3(111.125,145.542) 111.125,154.559 112.114,155.548 114.843,155.548 122.555,147.836 122.555,140.97 127.381,136.144 129.667,136.144 134.023,131.788 143.06,131.788 147.447,127.401 DD7.13@147.447,127.254
RESET: DD3.17 DD7.6 XP37.1 | length 96.4
  Solder Side w0.3: DD7.6@157.607,124.714 157.607,122.301 155.575,120.269 139.349,120.269 127.508,108.428 127.508,104.638 132.578,99.568 170.307,99.568 174.677,95.198 DD3.17@174.677,94.364 XP37.1@174.677,91.923
RX: DD7.41 DD8.6 R26.2 R27.2 | length 63.9
  Component Side w0.5: R26.2@86.246,89.18 R27.2@86.246,90.043 86.271,90.068 DD8.6@87.884,90.068 89.052,90.068 v1(89.662,90.678)
  Solder Side w0.5: v1(89.662,90.678) 94.7,95.716 94.7,114.029 95.462,114.791 95.462,118.474 97.663,120.675 97.663,128.905 99.441,130.683 110.871,130.683 111.887,129.667 DD7.41@111.887,127.254
SPI1_CS: R17.2 VD16.2 | length 10.3
  Component Side w1: R17.2@89.129,115.57 90.526,114.173 92.078,114.173 93.599,112.652 93.599,110.744 92.193,109.338 VD16.2@91.44,109.338
SPI1_MISO: DD7.18 R19.2 VD18.2 | length 77.2
  Component Side w0.3: R19.2@89.129,119.888 89.241,119.888 90.707,121.354 94.556,121.354 95.566,120.344 95.566,119.064 v1(96.647,117.983) 97.478,117.152 97.478,113.597 97.155,113.274 97.155,111.115 96.461,110.421 96.079,110.421 VD18.2@94.996,109.338 ; v1(116.845,120.391) 123.703,120.391 v1(123.825,120.269) ; v1(135.763,122.809) 140.462,122.809 DD7.18@142.367,124.714
  Solder Side w0.3: v1(96.647,117.983) 99.055,120.391 v1(116.845,120.391) ; v1(123.825,120.269) 126.619,117.475 126.619,115.814 128.329,114.104 130.497,114.104 131.133,114.74 131.133,115.629 135.763,120.259 v1(135.763,122.809)
SPI1_MOSI: DD7.17 R20.2 VD19.2 | length 86.9
  Component Side w0.3: VD19.2@86.859,142.494 86.859,141.487 91.948,136.398 v1(94.488,136.398) 94.488,134.63 94.419,134.561 94.419,133.663 94.488,133.594 94.488,125.984 90.551,122.047 R20.2@89.129,122.047 ; v1(139.446,136.906) 139.446,135.519 138.938,135.011 138.938,130.683 DD7.17@142.367,127.254
  Solder Side w0.3: v1(94.488,136.398) 95.065,135.821 99.489,135.821 99.754,136.086 103.309,136.086 105.479,133.916 117.152,133.916 119.507,136.271 137.922,136.271 138.557,136.906 v1(139.446,136.906)
SPI1_SCK: DD7.15 R18.2 VD17.2 | length 88.6
  Component Side w0.3: VD17.2@86.732,137.414 86.986,137.16 v1(89.027,137.16) ; R18.2@89.129,117.729 89.535,117.729 90.932,116.332 v1(92.075,116.332) ; v1(92.837,122.682) 95.504,125.349 v1(95.504,134.112) ; 95.377,133.07 95.504,133.197 ; v1@95.504,133.604 95.708,133.4 96.171,133.864 115.078,133.864 115.649,134.435 123.629,134.435 v1(124.333,133.731) ; v1(141.224,134.493) 141.224,132.461 144.907,128.778 DD7.15@144.907,127.254
  Solder Side w0.3: v1(89.027,137.16) 90.17,137.16 93.218,134.112 v1(95.504,134.112) ; v1(92.075,116.332) 92.075,121.92 v1(92.837,122.682) ; v1(124.333,133.731) 130.937,133.731 131.699,134.493 v1(141.224,134.493)
SPI2_CS: R13.2 VD1.2 | length 3.9
  Component Side w1: VD1.2@187.833,102.607 187.833,104.877 R13.2@189.001,106.045
SPI2_MISO: DD7.38 R15.2 VD7.2 | length 101.5
  Component Side w0.3: v1(161.29,104.902) 166.243,104.902 170.688,100.457 176.911,100.457 178.181,101.727 VD7.2@178.181,102.607
  Component Side w1: VD7.2@178.181,102.607 180.077,102.607 180.594,103.124 180.594,104.775 181.483,105.664 183.642,105.664 185.263,107.285 185.263,107.726 188.535,110.998 R15.2@189.001,110.998
  Signal Layer 1 w0.3: v1(125.73,100.076) v1@125.984,100.076
  Signal Layer 2 w0.3: v1@125.984,100.076 131.076,100.076 131.375,100.375 156.763,100.375 v1(161.29,104.902)
  Solder Side w0.3: DD7.38@116.967,124.714 124.714,116.967 124.714,101.092 v1(125.73,100.076)
SPI2_MOSI: DD7.39 R16.2 VD13.2 | length 110.2
  Component Side w1: v1(144.526,104.775) 146.93,107.179 168.783,107.179 VD13.2@173.355,102.607 173.727,102.607 176.403,105.283 178.562,105.283 180.983,107.704 183.084,107.704 184.197,108.817 184.197,109.013 188.595,113.411 R16.2@189.001,113.411
  Signal Layer 1 w1: v1(131.064,106.172) 139.957,106.172 140.249,106.464 141.437,106.464 141.729,106.172 143.129,106.172 v1(144.526,104.775)
  Signal Layer 2 w0.4: DD7.39@114.427,127.254 115.75,125.931 115.75,125.298 115.717,125.265 115.717,123.158 116,122.875
  Signal Layer 2 w0.5: 116,122.875 117.375,122.875 118.5,121.75 118.5,120.5 118.03,120.03 118.03,119.9 117.625,119.496 117.625,118.25 113.75,114.375 113.75,107.25 116.875,104.125 125,104.125 127.047,106.172 v1(131.064,106.172)
SPI2_SCK: DD7.37 R14.2 VD4.2 | length 121.5
  Component Side w0.3: 141.097,137.795 141.097,135.9 140.139,134.942 140.139,132.022 143.637,128.524 143.637,123.698 144.653,122.682 149.225,122.682 150.437,121.47 163.126,121.47 163.957,122.301 176.911,122.301 177.673,123.063
  Component Side w0.5: v1(122.936,137.541) 125.349,137.541 127.889,135.001 137.414,135.001 138.261,135.848 138.261,137.472 138.387,137.598 138.387,137.879 139.508,139 139.892,139 141.097,137.795
  Component Side w1: 177.673,123.063 185.293,115.443 190.754,115.443 190.754,109.601 189.611,108.458 R14.2@189.001,108.458 187.833,108.458 186.563,107.188 186.563,105.664 183.506,102.607 VD4.2@183.007,102.607
  Signal Layer 1 w1: DD7.37@116.967,127.254 117.602,127.254 117.957,127.609 117.957,128.804 119.152,128.804 122.898,132.55 122.898,134.325 122.936,134.363 v1(122.936,137.541)
TX: DD3.7 DD7.40 R34.1 XP14.1 XP27.1 | length 94.8
  Component Side w0.3: R34.1@95.377,96.025 97.015,96.025 v1(97.028,96.012)
  Solder Side w0.3: v1(97.028,96.012) 114.3,96.012 123.19,104.902 ; DD7.40@114.427,124.714 123.19,115.951 123.19,97.917 124.587,96.52 147.828,96.52 149.277,95.071 DD3.7@149.277,94.364
  Solder Side w0.5: XP14.1@149.304,89.51 XP27.1@149.304,91.923
  Solder Side w1: DD3.7@149.277,94.364 149.304,94.337 XP27.1@149.304,91.923
V_SENSE: C35.2 DD7.9 R59.2 R60.1 | length 10.9
  Component Side w1: C35.2@149.86,133.325 R60.1@149.86,131.318 152.425,131.318 152.552,131.191 ; DD7.9@152.527,127.254 152.552,127.279 152.552,131.191 ; R59.2@152.552,133.35 152.552,131.191
VB_A: C5.2 C6.1 DD4.6 VD10.2 | length 9.7
  Solder Side w1: VD10.2@157.176,140.421 157.676,140.921 C6.1@161.676,140.921 163.672,140.921 C5.2@163.876,140.717 166.332,140.717 DD4.6@166.476,140.861
VB_B: C11.2 C12.1 DD5.6 VD11.2 | length 9.2
  Solder Side w1: VD11.2@127.637,140.921 131.937,140.921 133.933,140.921 C11.2@134.137,140.717 136.633,140.717 DD5.6@136.737,140.821
VB_C: C17.2 C18.1 DD6.6 VD12.2 | length 13.6
  Solder Side w1: VD12.2@92.637,140.921 C18.1@96.937,140.921 98.933,140.921 C17.2@99.137,140.717 DD6.6@106.045,140.716 ; DD6.6@106.332,140.844 DD6.6@106.436,140.948
VBAT: DD3.1 XP21.1 | length 2.8
  Solder Side w1: XP21.1@134.037,91.542 DD3.1@134.037,94.364
pads on no net: DD4.8 DD5.8 DD6.8 DD7.2 DD7.3 DD7.4 DD7.5 DD7.12 DD7.16 DD7.19 DD7.20 DD7.23 DD7.24 DD7.25 DD7.32 DD7.36 DD7.42 DD7.43 DD7.44 DD7.45 DD7.46 DD7.47 DD7.48 DD7.57 DD7.58 DD7.59 DD7.60 DD7.61 DD7.62 DD7.63 DD7.64 DD7.65 DD7.66 DD7.67 DD7.68 DD7.71 DD7.72 DD7.75 DD7.76 DD7.77 DD7.78 DD7.79 DD7.80 DD7.81 DD7.82 DD7.83 DD7.84 DD7.85 DD7.86 DD7.87 DD7.88 DD7.89 DD7.90 DD7.91 DD7.92 DD7.93 DD7.94 DD7.95 DD7.96 DD7.97 DD7.98 DD8.1 DD8.4 DD9.1 DD9.4 DD10.1 DD10.4 DD11.1 DD11.4 DD12.1 DD12.4 DD13.1 DD13.4 DD14.1 DD14.4 DD15.1 DD15.4
copper on no net: | length 75.4
  Solder Side w0.5: 92.137,75.421 ccw(c89.137,75.421) 92.137,75.421 ; 92.137,129.421 ccw(c89.137,129.421) 92.137,129.421 ; 192.137,75.421 ccw(c189.137,75.421) 192.137,75.421 ; 192.137,129.421 ccw(c189.137,129.421) 192.137,129.421

## Polygon pours and split planes (outlines as drawn)
GND on Solder Side "GNDD1" (solid, remove dead copper, shelved, pour order 18): 80.137,169.418 80.391,169.164 198.137,169.164 198.137,66.438 198.12,66.421 80.391,66.421
GND on Component Side "GNDD1" (solid, remove dead copper, shelved, pour order 20): 80.137,169.418 80.391,169.164 198.137,169.164 198.137,66.438 198.12,66.421 80.391,66.421
+12V on Signal Layer 1 "+12V_MID" (solid, remove dead copper, shelved, pour order 24): 80,156.25 151.25,156.25 168.75,156.25 168.75,140 121.25,92.5 121.25,85 155,85 156.25,86.25 157.5,87.5 197.5,87.5 197.5,66.25 80,66.25
+36V_I on Signal Layer 1 "+36V_MID" (solid, remove dead copper, shelved, pour order 26): 81.25,168.75 197.5,168.75 197.5,88.75 156.25,88.75 153.75,86.25 122.5,86.25 122.5,91.25 171.25,140 170,141.25 170,157.5 81.25,157.5
GND on Signal Layer 2 "GNDD_SL2" (solid, remove dead copper, shelved, pour order 30): 79.875,133.625 177.75,133.625 181.75,129.625 187.625,123.75 187.625,118.125 197.625,118.125 197.75,118 197.875,117.875 197.875,66.421 79.921,66.421 79.875,66.375
+36V_I on Signal Layer 2 "36V_SL2" (solid, remove dead copper, shelved, pour order 28): 80.375,169.421 80.546,169.25 198,169.25 198,132.375 198.375,132 185.375,132 185.375,148.75 179,155.125 178.5,155.625 80.375,155.625

## Keep-outs
Keep-Out Layer, Board:
  lines w0.127: 80.137,66.421 198.137,66.421 198.137,169.421 80.137,169.421 80.137,66.421
  lines w0.254: 80.137,66.421 80.137,169.421 198.137,169.421 198.137,66.421 80.137,66.421

## Other copper
Component Side:
  pour cut-out: 138.5,150.125 138.875,150.5 142.625,150.5 142.625,143.25 142.125,143.75 138.75,143.75
  pour cut-out: 107.875,151.875 112.375,151.875 112.625,151.625 112.625,148.375 108.875,148.375 108.375,148.875
  pour cut-out: 166.625,101.625 168.75,101.625 173.75,96.625 181,96.625 181,95 180.759,95.241 166.551,95.241
  pour cut-out: 134.5,116 139.5,116 139.5,111.75 139.875,111.375 134.5,111.375
  pour cut-out: 174.25,136.625 177.937,142.312 177.5,136.625 183.625,136.625 183.25,136.25 183.25,130.875 174.125,130.875 174,131
  pour cut-out: 98.25,120.125 98.5,120.375 128.625,120.375 128.625,92 128.25,91.625 127,92.875 98.125,92.875
Solder Side:
  pour cut-out: 115.625,143.25 116,142.875 118.125,142.875 118.125,141.617 117.883,141.375 115.625,141.375

## Silkscreen, mask and mechanical layers (free items; w line width, h text height)
Top Overlay:
  lines w0.1: 89.137,75.421 89.137,129.421 189.137,129.421 189.137,75.421 89.137,75.421